# Altium PCB BB.PcbDoc (part 2 of 9) (continued)
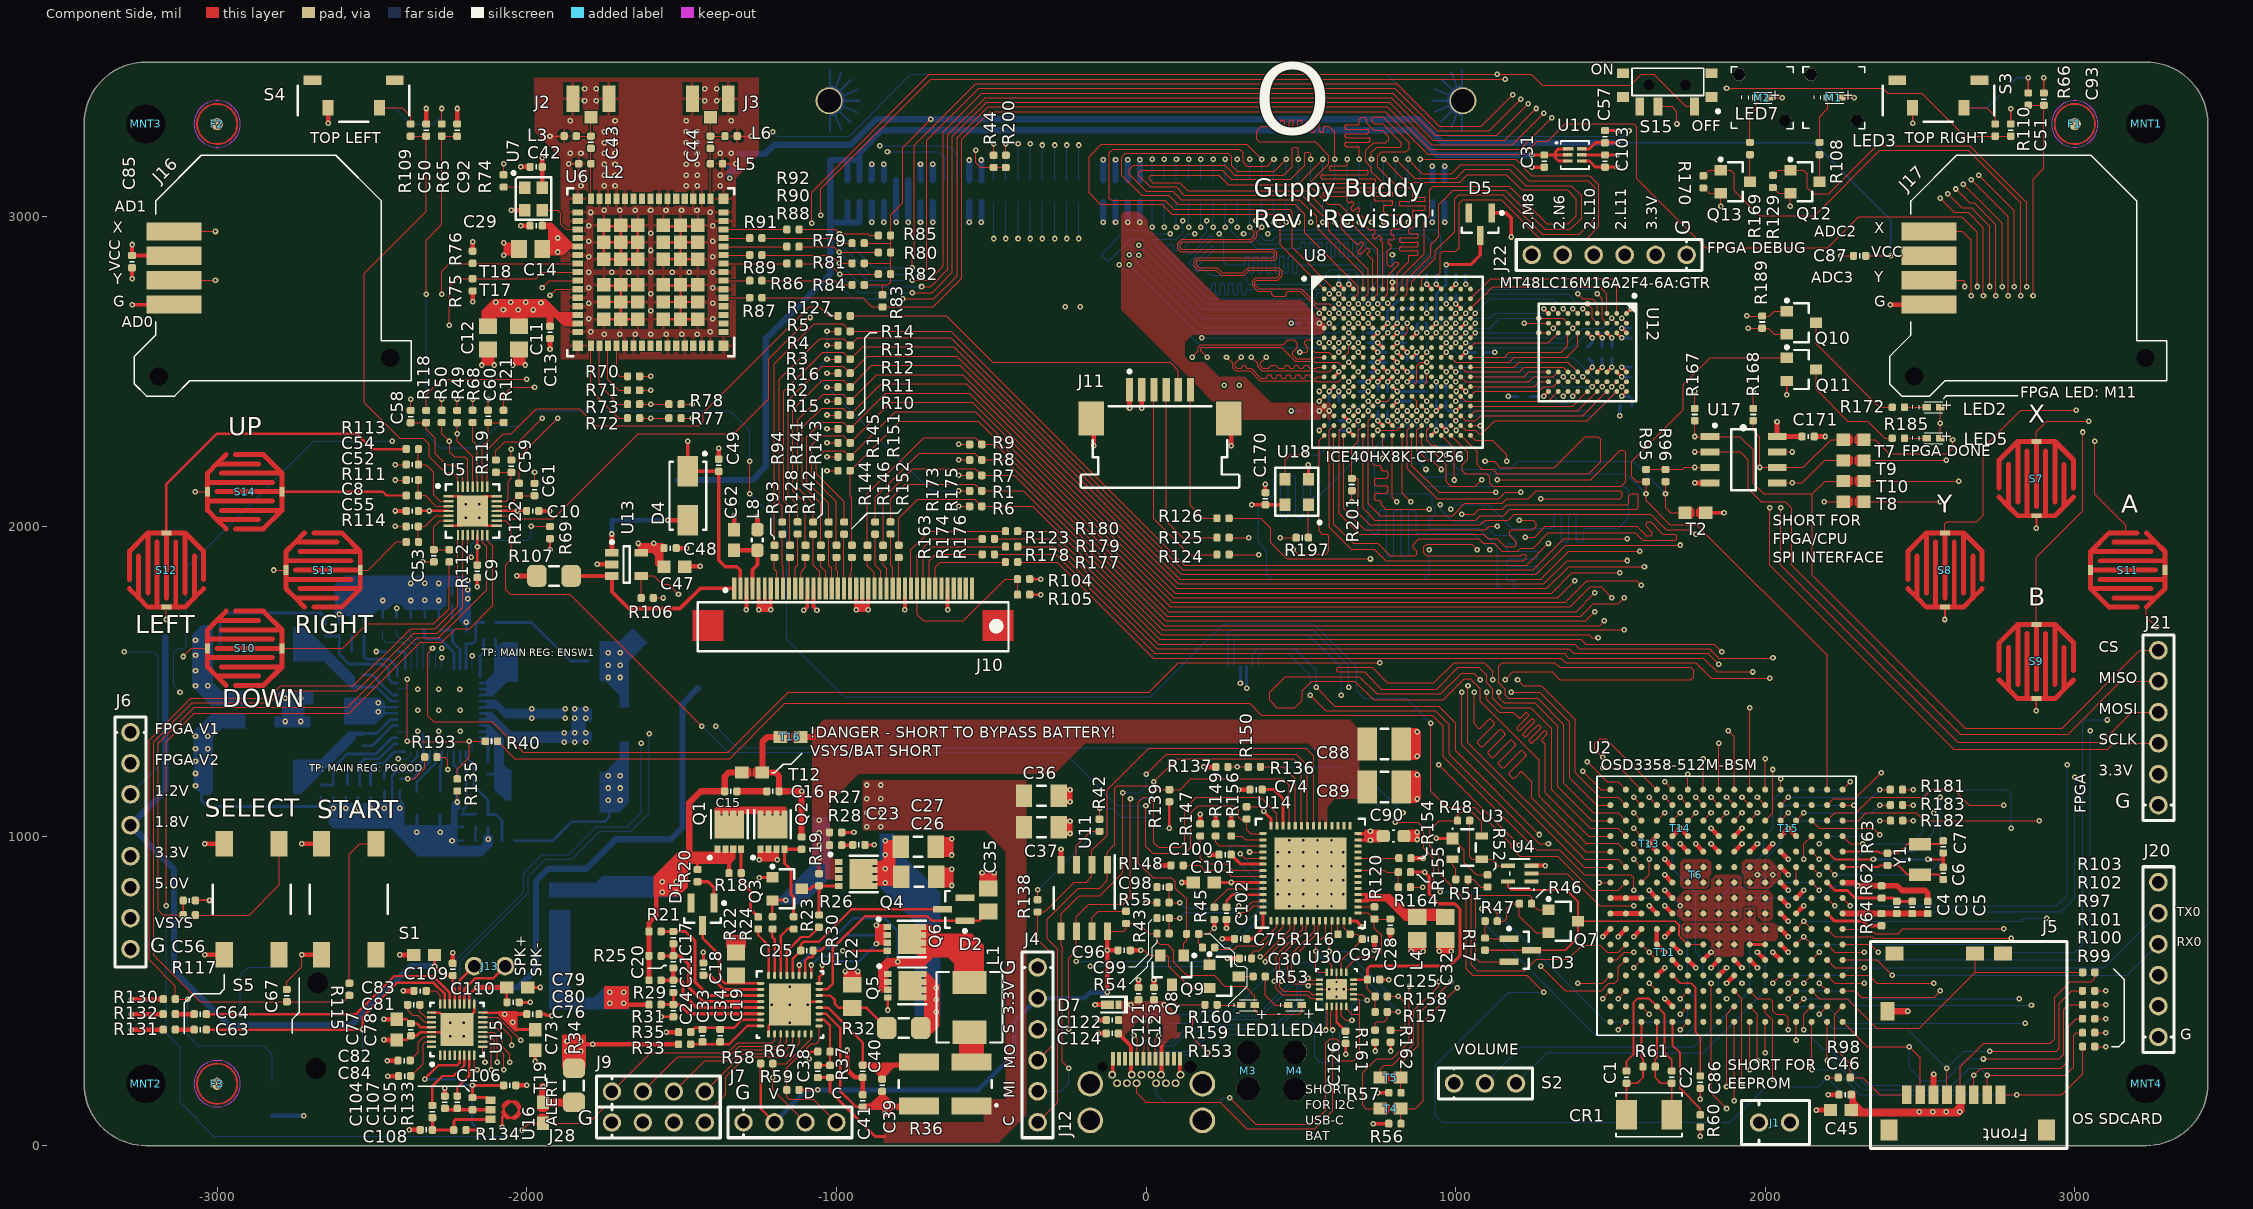
[diagram p0: Component Side view]
## Footprints (in the part's own frame and the unit in brackets; to place one, negate y for a bottom-side part, rotate by r counter-clockwise, add the part's x,y. Pads: shape width x height; smd on the part's side, far side on the other; paste and mask are expansions set on the pad) (continued)
RUK0020B [mm]
  rrect50% 0.6x0.2 smd mask+0.051: 1(-1.4,0.8) 2(-1.4,0.4) 3(-1.4,0) 4(-1.4,-0.4) 5(-1.4,-0.8) 11(1.4,-0.8) 12(1.4,-0.4) 13(1.4,0) 14(1.4,0.4) 15(1.4,0.8)
  rrect50% 0.2x0.6 smd mask+0.051: 6(-0.8,-1.4) 7(-0.4,-1.4) 8(0,-1.4) 9(0.4,-1.4) 10(0.8,-1.4) 16(0.8,1.4) 17(0.4,1.4) 18(0,1.4) 19(-0.4,1.4) 20(-0.8,1.4)
  rrect50% 0.75x0.75 on Top Paste: 21(-0.475,-0.475) 21(-0.475,0.475) 21(0.475,-0.475) 21(0.475,0.475)
  rrect6% 1.7x1.7 smd paste-0.85 mask+0.076: 21(0,0)
  silkscreen extent -1.68,-1.68 1.68,1.68, body extent -1.5,-1.5 1.5,1.5, height 0.8
RWE0056B [mm]
  rrect40% 0.6x0.25 smd paste+0 mask+0.064: 1(-3.9,3.25) 2(-3.9,2.75) 3(-3.9,2.25) 4(-3.9,1.75) 5(-3.9,1.25) 6(-3.9,0.75) 7(-3.9,0.25) 8(-3.9,-0.25) 9(-3.9,-0.75) 10(-3.9,-1.25) 11(-3.9,-1.75) 12(-3.9,-2.25) 13(-3.9,-2.75) 14(-3.9,-3.25) 29(3.9,-3.25) 30(3.9,-2.75) 31(3.9,-2.25) 32(3.9,-1.75) 33(3.9,-1.25) 34(3.9,-0.75) 35(3.9,-0.25) 36(3.9,0.25) 37(3.9,0.75) 38(3.9,1.25) 39(3.9,1.75) 40(3.9,2.25) 41(3.9,2.75) 42(3.9,3.25)
  rrect40% 0.25x0.6 smd paste+0 mask+0.064: 15(-3.25,-3.9) 16(-2.75,-3.9) 17(-2.25,-3.9) 18(-1.75,-3.9) 19(-1.25,-3.9) 20(-0.75,-3.9) 21(-0.25,-3.9) 22(0.25,-3.9) 23(0.75,-3.9) 24(1.25,-3.9) 25(1.75,-3.9) 26(2.25,-3.9) 27(2.75,-3.9) 28(3.25,-3.9) 43(3.25,3.9) 44(2.75,3.9) 45(2.25,3.9) 46(1.75,3.9) 47(1.25,3.9) 48(0.75,3.9) 49(0.25,3.9) 50(-0.25,3.9) 51(-0.75,3.9) 52(-1.25,3.9) 53(-1.75,3.9) 54(-2.25,3.9) 55(-2.75,3.9) 56(-3.25,3.9)
  rrect2% 5.9x5.9 smd paste-6: 57(0,0)
  silkscreen extent -4.47,-4.47 4.47,4.47, body extent -4,-4 4,4, height 0.86
SINGLE_LIGHT_PIPE [mm] "Single Light Pipe"
  round 1 hole 1 unplated mask+0.1: ""(-1.89,1.89) ""(1.89,-1.89)
  silkscreen extent -2.54,-2.54 2.54,2.54, body extent -2.54,-2.54 2.54,2.54, height 8.5
SOIC-8 [mm]
  rect 1.52x0.6 smd: 1(-2.75,1.905) 2(-2.75,0.635) 3(-2.75,-0.635) 4(-2.75,-1.905) 5(2.75,-1.905) 6(2.75,-0.635) 7(2.75,0.635) 8(2.75,1.905)
  silkscreen extent -2.47,-2.5 1,2.94, body extent -2,-2.5 2,2.5, height 1.35
"SOIC-8 - TI" [mm]
  rrect17% 1.45x0.6 smd: 1(-2.725,1.905) 2(-2.725,0.635) 3(-2.725,-0.635) 4(-2.725,-1.905) 5(2.725,-1.905) 6(2.725,-0.635) 7(2.725,0.635) 8(2.725,1.905)
  silkscreen extent -3.5,-2.5 0.9,2.5, body extent -3,-2.45 3,2.45, height 1.63
SOT23 [mm] "SOT23, 3-Leads, Body 3.0x2.6mm (max), Pitch 0.95mm, IPC Medium Density"
  rect 1.55x0.55 smd: 1(-0.925,0.95) 2(-0.925,-0.95) 3(0.925,0)
  silkscreen extent -1.05,-1.5 0.7,1.9, body extent -0.7,-1.5 0.7,1.5, height 1.1
SOT190P237X120-4N [mm] "SOT143, 4-Leads, Body 2.92x2.37mm, Pitch 1.90mm, IPC Medium Density"
  rect 1x1 smd: 1(-1.2,0.75)
  rect 1x0.6 smd: 2(-1.2,-0.95) 3(1.2,-0.95) 4(1.2,0.95)
  silkscreen extent -1.25,-1.5 0.7,1.6, body extent -0.7,-1.52 0.7,1.52, height 1.2
SOT-23A [mm] "SOT-23; 3 Leads; Body 3.1 x 2.5 mm, inc. leads (LxW max)"
  rect 0.85x1 smd: 1(0.95,1.2) 2(-0.95,1.2) 3(0,-1.2)
  silkscreen extent -1.6,-0.6 1.95,1.32, body extent -1.46,-1.13 1.46,1.35, height 1
TACTILE_1571563_2 [mm] "SWITCH TACTILE SPST-NO 0.05A 24V"
  rect 2.1x1.4 smd: 1(-4.55,2.25) 2(4.55,2.25) 3(-4.55,-2.25) 4(4.55,-2.25)
  silkscreen extent -1.2,-3.2 1.2,3.2, body extent -5,-3 5,3, height 5.1
TestPointSmall [mil]
  round 18 hole 8 mask+1.5: 1(0,0)
TESTPOINTSMALL [mil]
  round 18 hole 8 mask+1.5: 1(0,0)
TL3330AF130QG [mm] "SWITCH TACTILE SPST-NO 0.05A 12V"
  rect 0.9x1.27 smd: 1(-2.1,0.86) 2(2.1,0.86)
  rect 1.45x0.8 smd: M(-3.375,-1.4) M(3.375,-1.4)
  silkscreen extent -4.57,-0.95 4.57,2, body extent -3.87,-2.73 3.92,0.78, height 3.5
U.FL-R-SMT-1 [mm] "U.FL-R-SMT-1"
  rect 1.05x2.2 smd: 1(-1.475,0) 2(1.475,0)
  rect 1.05x1 smd: 3(0,-1.525)

## Part data
C1 C2 C6 C7: Capacitance=18pF, Case/Package=0402, Case Code (Metric)=1005, Dielectric=C0G, Manufacturer 1="Taiyo Yuden", Manufacturer Part Number 1=UMK105CG180JV-F, Max Operating Temperature=125°C, Min Operating Temperature=-55°C, Package Quantity=1, Supplier Part Number 1=587-1950-6-ND, Tolerance=5%, Voltage Rating=50V, Case Code (Imperial)=0402, ComponentLink1Description=http://search.murata.co.jp/Ceramy/image/img/A01X/G101/ENG/GRM1555C1H180FA01-01.pdf, ComponentLink1URL=http://search.murata.co.jp/Ceramy/image/img/A01X/G101/ENG/GRM1555C1H180FA01-01.pdf, ComponentLink2Description=https://datasheet.ciiva.com/129/standardmultilayerceramiccaps-129795.pdf, ComponentLink2URL=https://datasheet.ciiva.com/129/standardmultilayerceramiccaps-129795.pdf, ComponentLink3Description=https://datasheet.ciiva.com/129/standardmultilayerceramiccaps-129796.pdf, ComponentLink3URL=https://datasheet.ciiva.com/129/standardmultilayerceramiccaps-129796.pdf, ComponentLink4Description=https://datasheet.ciiva.com/129/standardmultilayerceramiccaps-129797.pdf, ComponentLink4URL=https://datasheet.ciiva.com/129/standardmultilayerceramiccaps-129797.pdf, ComponentLink5Description=https://datasheet.ciiva.com/28645/1481447-28645301.pdf, ComponentLink5URL=https://datasheet.ciiva.com/28645/1481447-28645301.pdf, ComponentLink6Description=https://datasheet.ciiva.com/7975/1500421-7975897.pdf, ComponentLink6URL=https://datasheet.ciiva.com/7975/1500421-7975897.pdf, ComponentLink7Description=https://datasheet.ciiva.com/30064/dumk-e-30064475.pdf, ComponentLink7URL=https://datasheet.ciiva.com/30064/dumk-e-30064475.pdf, ComponentLink8Description=https://datasheet.ciiva.com/5418/mlcc-all-e-541559-5418829.pdf, ComponentLink8URL=https://datasheet.ciiva.com/5418/mlcc-all-e-541559-5418829.pdf, Depth=0.5mm, Description 1="CAP CER 18PF 50V NP0 0402", Halogen Free="Halogen Free", Height=0.5mm, Lead Free="Lead Free", Length=1mm, Mount="Surface Mount", Packaging="Tape and Reel", Pricing 1="1=0.1, 10=0.032, 100=0.0141, 500=0.01006, 1000=0.00791, 2500=0.00719, 5000=0.00661 (USD)", Radiation Hardening=No, REACH SVHC=Unknown, Stock 1=0, Supplier 1=Digi-Key, Termination=SMD/SMT, Thickness=0.022inch, Voltage Rating (DC)=50V, Width=0.02inch
C3 C4 C5 C8 C9 C10 C13 C15 C16 C17 C20 C21 C24 C25 C33 C39 C40 C41 C42 C46 C48 C50 C51 C52 C53 C54 C55 C56 C58 C59 C60 C61 C67 C68 C69 C71 C72 C76 C78 C80 C85 C86 C87 C92 C93 C96 C98 C99 C106 C110 C126 C170 C171: "CAP CER 0.1UF 25V X6S 0402", Capacitance=0.1uF, Case/Package=0402, Case Code (Metric)=1005, Dielectric=X7R, Manufacturer 1=Yageo, Manufacturer Part Number 1=CC0402KRX7R8BB104, Max Operating Temperature=125°C, Min Operating Temperature=-55°C, Supplier Part Number 1=311-2077-1-ND, Tolerance=10%, Voltage - Rated=25V, Case Code (Imperial)=0402, ComponentLink1Description=https://product.tdk.com/info/en/catalog/datasheets/mlcc_commercial_general_en.pdf, ComponentLink1URL=https://product.tdk.com/info/en/catalog/datasheets/mlcc_commercial_general_en.pdf, ComponentLink2Description=https://datasheet.ciiva.com/11464/upy-gphc-x7r-6-3v-to-50v-8-11464889.pdf, ComponentLink2URL=https://datasheet.ciiva.com/11464/upy-gphc-x7r-6-3v-to-50v-8-11464889.pdf, ComponentLink3Description=https://datasheet.ciiva.com/13210/upy-gphc-x7r-6-3v-to-50v-8-12304-13210908.pdf, ComponentLink3URL=https://datasheet.ciiva.com/13210/upy-gphc-x7r-6-3v-to-50v-8-12304-13210908.pdf, ComponentLink4Description=https://datasheet.ciiva.com/17437/upy-gphc-x7r-6-3v-to-50v-8-17437357.pdf, ComponentLink4URL=https://datasheet.ciiva.com/17437/upy-gphc-x7r-6-3v-to-50v-8-17437357.pdf, Composition=Ceramic, Depth=0.5mm, Description 1="Cap Ceramic 0.1uF 25V X7R 10% SMD 0402 125C Paper T/R", Dissipation Factor=3.5%, Halogen Free="Halogen Free", Height=0.5mm, Lead Free="Lead Free", Length=1mm, Mount="Surface Mount", Package / Case=0402, Packaging="Tape and Reel", Pricing 1="1=0.1, 10=0.048, 100=0.0215, 500=0.01534, 1000=0.01205, 2500=0.01095, 5000=0.01007 (USD)", Radiation Hardening=No, Stock 1=0, Supplier 1=Digi-Key, Temperature Coefficient=X7R, Termination=SMD/SMT, Thickness=0.022inch, Voltage Rating=25V, Voltage Rating (DC)=25V, Width=0.02inch
C11 C12 C14 C113 C140 C146 C152: library part C_0805_10UF_16V, "CAP CER 10uF 16V X5R 20% 0805", Manufacturer="Taiyo Yuden", Manufacturer Part Number=EMK212BJ106KG-T, Operating Temperature="-55°C ~ 85°C", Package / Case=0805, Ratings=-, Supplier Part Number 1=587-1295-1-ND, Temperature Coefficient=X5R, Tolerance=±10%, Voltage - Rated=16V, Applications="General Purpose", Capacitance=10µF, Category=Capacitors, ComponentLink1Description=http://www.yuden.co.jp/productdata/catalog/en/mlcc01_e.pdf, ComponentLink1URL=http://www.yuden.co.jp/productdata/catalog/en/mlcc01_e.pdf, Features=-, Height - Seated (Max)=-, Lead Spacing=-, Lead Style=-, Mounting Type="Surface Mount, MLCC", Packaging="Cut Tape (CT)", Part Status=Active, Pricing 1="1=0.2, 10=0.139, 100=0.0656, 500=0.04596, 1000=0.03805 (USD)", RoHS="RoHS Compliant", Size / Dimension="0.079\" L x 0.049\" W (2.00mm x 1.25mm)", Stock 1=2052124, Supplier 1=Digi-Key, Thickness (Max)="0.053\" (1.35mm)"
C18 C23 C49 C74 C75 C81 C82 C83 C84: "CAP CER 2.2UF 35V 20% X5R 0402", Capacitance=2.2µF, Manufacturer="TDK Corporation", Manufacturer Part Number=C1005X5R1V225K050BC, Operating Temperature="-55°C ~ 85°C", Package / Case=0402, Ratings=-, Supplier Part Number 1=445-9028-1-ND, Temperature Coefficient=X5R, Tolerance=±10%, Voltage - Rated=35V, Applications="General Purpose", Category=Capacitors, ComponentLink1Description=https://product.tdk.com/info/en/catalog/datasheets/mlcc_commercial_general_en.pdf, ComponentLink1URL=https://product.tdk.com/info/en/catalog/datasheets/mlcc_commercial_general_en.pdf, Failure Rate=-, Features="Low ESL", Height - Seated (Max)=-, Lead Spacing=-, Lead Style=-, Mounting Type="Surface Mount, MLCC", Packaging="Cut Tape (CT)", Part Status=Active, Pricing 1="1=0.36, 10=0.253, 100=0.1518, 500=0.11386, 1000=0.09614, 2500=0.09108, 5000=0.08602 (USD)", RoHS="RoHS Compliant", Size / Dimension="0.039\" L x 0.020\" W (1.00mm x 0.50mm)", Stock 1=300469, Supplier 1=Digi-Key, Thickness (Max)="0.022\" (0.55mm)"
C19 C22 C32: library part C_0805_1.0uF_50V, "CAP CER 1UF 50V X7R 0805", Capacitance=1.0µF, Case/Package=0805, Case Code (Metric)=2012, Dielectric=X7R, Manufacturer 1=Samsung, Manufacturer Part Number 1=CL21B105KBFNNNG, Max Operating Temperature=125°C, Min Operating Temperature=-55°C, Package Quantity=3000, Supplier Part Number 1=1276-6470-6-ND, Tolerance=10%, Voltage=50V, Case Code (Imperial)=0805, ComponentLink1Description=http://search.murata.co.jp/Ceramy/image/img/PDF/ENG/GRM21BR71H105KA12.pdf, ComponentLink1URL=http://search.murata.co.jp/Ceramy/image/img/PDF/ENG/GRM21BR71H105KA12.pdf, ComponentLink2Description=https://datasheet.ciiva.com/16428/cl05b104kq5nnnc-16428872.pdf, ComponentLink2URL=https://datasheet.ciiva.com/16428/cl05b104kq5nnnc-16428872.pdf, ComponentLink3Description=https://datasheet.ciiva.com/26310/mlcc-catalogdownload2013-eng-26310125.pdf, ComponentLink3URL=https://datasheet.ciiva.com/26310/mlcc-catalogdownload2013-eng-26310125.pdf, ComponentLink4Description=https://datasheet.ciiva.com/25733/cl21b105kbfnnng-25733278.pdf, ComponentLink4URL=https://datasheet.ciiva.com/25733/cl21b105kbfnnng-25733278.pdf, ComponentLink5Description=https://datasheet.ciiva.com/29199/455898-da-01-en-vs-kondensator-0805-29199201.pdf, ComponentLink5URL=https://datasheet.ciiva.com/29199/455898-da-01-en-vs-kondensator-0805-29199201.pdf, Contact Plating=Nickel,Tin, Depth=1.25mm, Description 1="Cap Ceramic 1uF 50V X7R 10% SMD 0805 125C Embossed T/R", Length=2mm, Material=Ceramic, Mount="Surface Mount", Package / Case=0805, Packaging="Tape and Reel", Pricing 1="1=0.13, 10=0.097, 100=0.043, 500=0.03072, 1000=0.02413 (USD)", Stock 1=0, Supplier 1=Digi-Key, Temperature Coefficient=X7R, Termination=Wraparound, Thickness=0.053inch, Voltage - Rated=50V, Voltage Rating=50V, Width=0.049inch
C26 C27 C36 C37: library part C_1206_10UF_25V, "CAP CER 10UF 25V X5R 1206", Case/Package=1206, Case Code (Metric)=3216, Dielectric=X5R, Manufacturer 1=Samsung, Manufacturer Part Number 1=CL31A106KAHNNNE, Max Operating Temperature=85°C, Min Operating Temperature=-55°C, Supplier Part Number 1=1276-1075-6-ND, Tolerance=10%, Voltage=25V, Capacitance=10µF, Case Code (Imperial)=1206, ComponentLink1Description=http://search.murata.co.jp/Ceramy/image/img/PDF/ENG/GRM31CR61E106MA12.pdf, ComponentLink1URL=http://search.murata.co.jp/Ceramy/image/img/PDF/ENG/GRM31CR61E106MA12.pdf, ComponentLink2Description=https://datasheet.ciiva.com/25710/cl31a106kahnnne-25710837.pdf, ComponentLink2URL=https://datasheet.ciiva.com/25710/cl31a106kahnnne-25710837.pdf, ComponentLink3Description=https://datasheet.ciiva.com/15195/getdatasheetpartid-355210-15195990.pdf, ComponentLink3URL=https://datasheet.ciiva.com/15195/getdatasheetpartid-355210-15195990.pdf, ComponentLink4Description=https://datasheet.ciiva.com/16740/cl31a106kahnnne-16740633.pdf, ComponentLink4URL=https://datasheet.ciiva.com/16740/cl31a106kahnnne-16740633.pdf, ComponentLink5Description=https://datasheet.ciiva.com/29201/452519-da-01-en-vs-kondensator-1206-29201124.pdf, ComponentLink5URL=https://datasheet.ciiva.com/29201/452519-da-01-en-vs-kondensator-1206-29201124.pdf, Contact Plating=Tin, Depth=1.6mm, Description 1="Cap Ceramic 10uF 25V X5R 10% SMD 1206 85C T/R", Height=1.6mm, Lead Free="Lead Free", Length=3.2mm, Material=Ceramic, Mount="Surface Mount", Package / Case=1206, Packaging="Tape and Reel", Pricing 1="1=0.28, 10=0.188, 100=0.095, 500=0.065, 1000=0.0575 (USD)", Radiation Hardening=No, Stock 1=0, Supplier 1=Digi-Key, Temperature Coefficient=X5R, Thickness=0.071inch, Voltage - Rated=25V, Voltage Rating=25V, Voltage Rating (DC)=25V, Width=0.063inch
C28 C97: library part C_0402_220PF_50V, "CAP CER 220PF 50V 10% X7R 0402", Manufacturer="Murata Electronics North America", Manufacturer Part Number=GRM155R71H221KA01D, Operating Temperature="-55°C ~ 125°C", Package / Case=0402, Ratings=-, Supplier Part Number 1=490-1298-1-ND, Temperature Coefficient=X7R, Tolerance=±10%, Voltage - Rated=50V, Applications="General Purpose", Capacitance=220pF, Category=Capacitors, ComponentLink1Description=http://search.murata.co.jp/Ceramy/image/img/PDF/ENG/GRM155R71H221KA01.pdf, ComponentLink1URL=http://search.murata.co.jp/Ceramy/image/img/PDF/ENG/GRM155R71H221KA01.pdf, Features=-, Height=-, Lead Spacing=-, Lead Style=-, Mounting Type="Surface Mount, MLCC", Packaging="Cut Tape (CT)", Pricing="10=0.034, 50=0.0272, 100=0.0204, 250=0.01476, 500=0.0109, 1000=0.00738 (USD)", RoHS="RoHS Compliant", Size / Dimension="0.039\" L x 0.020\" W (1.00mm x 0.50mm)", Stock 1=239876, Supplier 1=Digi-Key, Thickness="0.022\" (0.55mm)"
C29 C31 C57 C65 C66 C70 C100 C102 C103 C125 C156: library part C_0402_1.0UF_16V, "CAP CER 1.0UF 16V X5R 0402", Capacitance=1.0µF, Case/Package=0402, Case Code (Metric)=1005, Dielectric=X5R, Manufacturer 1=Samsung, Manufacturer Part Number 1=CL05A105KO5NNNC, Max Operating Temperature=85°C, Min Operating Temperature=-55°C, Package Quantity=1, Supplier Part Number 1=1276-1067-6-ND, Tolerance=10%, Voltage=16V, Case Code (Imperial)=0402, ComponentLink1Description=http://ds.yuden.co.jp/TYCOMPAS/ut/detail.do?productNo=EMK105BJ105KV-F&fileName=EMK105BJ105KV-F_SS&mode=specSheetDownload, ComponentLink1URL=http://ds.yuden.co.jp/TYCOMPAS/ut/detail.do?productNo=EMK105BJ105KV-F&fileName=EMK105BJ105KV-F_SS&mode=specSheetDownload, ComponentLink2Description=https://datasheet.ciiva.com/16207/cl05a105ko5nnnc-16207571.pdf, ComponentLink2URL=https://datasheet.ciiva.com/16207/cl05a105ko5nnnc-16207571.pdf, ComponentLink3Description=https://datasheet.ciiva.com/15195/getdatasheetpartid-355272-15195629.pdf, ComponentLink3URL=https://datasheet.ciiva.com/15195/getdatasheetpartid-355272-15195629.pdf, Contact Plating=Tin, Depth=0.5mm, Description 1="Cap Ceramic 1uF 16V X5R 10% SMD 0402 85C Paper T/R", Height=0.5mm, Length=1mm, Mount="Surface Mount", Package / Case=0402, Packaging="Tape and Reel", Pricing 1="1=0.1, 10=0.062, 100=0.0276, 500=0.01968, 1000=0.01547, 2500=0.01406, 5000=0.01294 (USD)", Radiation Hardening=No, Stock 1=26908, Supplier 1=Digi-Key, Temperature Coefficient=X5R, Thickness=0.022inch, Voltage - Rated=16V, Voltage Rating=16V, Width=0.02inch
C30 C63 C64: "CAP CER 0.22UF 50V X5R 0402", Capacitance=0.22µF, Manufacturer="Taiyo Yuden", Manufacturer Part Number=UMK105BJ224KV-F, Operating Temperature="-55°C ~ 85°C", Package / Case=0402, Ratings=-, Supplier Part Number 1=587-3500-6-ND, Temperature Coefficient=X5R, Tolerance=±10%, Voltage - Rated=50V, Applications="General Purpose", Category=Capacitors, ComponentLink1Description=http://ds.yuden.co.jp/TYCOMPAS/ut/detail.do?productNo=UMK105BJ224KV-F&fileName=UMK105BJ224KV-F_SS&mode=specSheetDownload, ComponentLink1URL=http://ds.yuden.co.jp/TYCOMPAS/ut/detail.do?productNo=UMK105BJ224KV-F&fileName=UMK105BJ224KV-F_SS&mode=specSheetDownload, Features=-, Height - Seated (Max)=-, Lead Spacing=-, Lead Style=-, Mounting Type="Surface Mount, MLCC", Packaging=Digi-Reel®, Pricing 1="1=0.35, 10=0.263, 50=0.1532, 100=0.1225, 250=0.08752, 500=0.0595, 1000=0.04813, 5000=0.03763 (USD)", RoHS="RoHS Compliant", Size / Dimension="0.039\" L x 0.020\" W (1.00mm x 0.50mm)", Stock 1=141424, Supplier 1=Digi-Key, Thickness (Max)="0.022\" (0.55mm)"
C34: library part C_0402_100PF, "CAP CER 100PF 50V 5% C0G 0402", Manufacturer="Murata Electronics North America", Manufacturer Part Number=GRM1555C1H101JA01D, Operating Temperature="-55°C ~ 125°C", Package / Case=0402, Ratings=-, Supplier Part Number 1=490-5922-1-ND, Temperature Coefficient=NP0, Tolerance=±5%, Voltage - Rated=50V, Applications="General Purpose", Capacitance=100pF, Category=Capacitors, ComponentLink1Description=http://www.murata.com/~/media/webrenewal/support/library/catalog/products/capacitor/mlcc/c02e.pdf, ComponentLink1URL=http://www.murata.com/~/media/webrenewal/support/library/catalog/products/capacitor/mlcc/c02e.pdf, Features=-, Height - Seated (Max)=-, Lead Spacing=-, Lead Style=-, Mounting Type="Surface Mount, MLCC", Packaging="Cut Tape (CT)", Part Status=Active, Pricing 1="1=0.1, 10=0.012, 50=0.0066, 100=0.0055, 250=0.00452, 500=0.00386, 1000=0.003, 5000=0.0025 (USD)", RoHS="RoHS Compliant", Size / Dimension="0.039\" L x 0.020\" W (1.00mm x 0.50mm)", Stock 1=1663893, Supplier 1=Digi-Key, Thickness (Max)="0.022\" (0.55mm)"
C35: "1.5µF ±10% 25V Ceramic Capacitor X7R 0805 (2012 Metric)", Capacitance=1.5µF, Manufacturer="Murata Electronics North America", Manufacturer Part Number=GRM21BR71E155KA88L, Operating Temperature="-55°C ~ 125°C", Package / Case=0805, Ratings=-, Supplier Part Number 1=490-3330-1-ND, Temperature Coefficient=25V, Tolerance=±10%, Voltage - Rated=X7R, Applications="General Purpose", Category=Capacitors, ComponentLink1Description=http://www.murata.com/~/media/webrenewal/support/library/catalog/products/capacitor/mlcc/c02e.pdf, ComponentLink1URL=http://www.murata.com/~/media/webrenewal/support/library/catalog/products/capacitor/mlcc/c02e.pdf, Features=-, Height - Seated (Max)=-, Lead Spacing=-, Lead Style=-, Mounting Type="Surface Mount, MLCC", Packaging="Cut Tape (CT)", Part Status=Active, Pricing 1="1=0.29, 10=0.24, 50=0.135, 100=0.12, 250=0.09, 500=0.0795, 1000=0.0705 (USD)", RoHS="RoHS Compliant", Size / Dimension="0.079\" L x 0.049\" W (2.00mm x 1.25mm)", Stock 1=7266, Supplier 1=Digi-Key, Thickness (Max)="0.053\" (1.35mm)"
C38: library part C_0402_22PF_50V, "CAP CER 22PF 50V NP0 0402", Manufacturer="Murata Electronics North America", Manufacturer Part Number=GRM1555C1H220FA01D, Operating Temperature="-55°C ~ 125°C", Package / Case=0402, Ratings=-, Supplier Part Number 1=490-8589-1-ND, Temperature Coefficient=NP0, Tolerance=±1%, Voltage - Rated=50V, Applications="General Purpose", Capacitance=22pF, Category=Capacitors, ComponentLink1Description=http://search.murata.co.jp/Ceramy/image/img/A01X/G101/ENG/GRM1555C1H220FA01-01.pdf, ComponentLink1URL=http://search.murata.co.jp/Ceramy/image/img/A01X/G101/ENG/GRM1555C1H220FA01-01.pdf, Features=-, Height - Seated (Max)=-, Lead Spacing=-, Lead Style=-, Mounting Type="Surface Mount, MLCC", Packaging="Cut Tape (CT)", Part Status=Active, Pricing 1="1=0.1, 10=0.05, 100=0.0223, 500=0.01594, 1000=0.01252, 2500=0.01138, 5000=0.01047 (USD)", RoHS="RoHS Compliant", Size / Dimension="0.039\" L x 0.020\" W (1.00mm x 0.50mm)", Stock 1=606100, Supplier 1=Digi-Key, Thickness (Max)="0.022\" (0.55mm)"
C43 C44: library part C_0402_10PF_50V, "CAP CER 10PF 50V NP0 0402", Manufacturer="Taiyo Yuden", Manufacturer Part Number=UMK105CG100DV-F, Operating Temperature="-55°C ~ 125°C", Package / Case=0402, Ratings=-, Supplier Part Number 1=587-1947-1-ND, Temperature Coefficient="C0G, NP0", Tolerance=.5pF, Voltage - Rated=50V, Applications="General Purpose", Capacitance=10pF, Category=Capacitors, ComponentLink1Description=http://www.yuden.co.jp/productdata/catalog/en/mlcc02_e.pdf, ComponentLink1URL=http://www.yuden.co.jp/productdata/catalog/en/mlcc02_e.pdf, Features=-, Height - Seated (Max)=-, Lead Spacing=-, Lead Style=-, Mounting Type="Surface Mount, MLCC", Packaging="Cut Tape (CT)", Pricing="1=0.07, 10=0.045, 50=0.0216, 100=0.0162, 250=0.01172, 500=0.00864, 1000=0.00585, 5000=0.0045 (USD)", RoHS="RoHS Compliant", Size / Dimension="0.039\" L x 0.020\" W (1.00mm x 0.50mm)", Stock 1=47289, Supplier 1=Digi-Key, Thickness (Max)="0.022\" (0.55mm)"
C45 C47 C62 C73 C77 C79 C101 C109: "CAP CER 10UF 16V X5R 0603", Capacitance=10µF, Manufacturer="Murata Electronics North America", Manufacturer Part Number=GRM188R61C106MA73D, Operating Temperature="-55°C ~ 85°C", Package / Case=0603, Ratings=-, Supplier Part Number 1=490-7201-1-ND, Temperature Coefficient=X5R, Tolerance=±20%, Voltage - Rated=25V, Applications="General Purpose", Category=Capacitors, ComponentLink1Description=http://www.murata.com/~/media/webrenewal/support/library/catalog/products/capacitor/mlcc/c02e.pdf, ComponentLink1URL=http://www.murata.com/~/media/webrenewal/support/library/catalog/products/capacitor/mlcc/c02e.pdf, Features=-, Height - Seated (Max)=-, Lead Spacing=-, Lead Style=-, Mounting Type="Surface Mount, MLCC", Packaging="Cut Tape (CT)", Pricing 1="1=0.35, 10=0.303, 50=0.184, 100=0.1516, 250=0.12124, 500=0.11042, 1000=0.09959 (USD)", RoHS="RoHS Compliant", Size / Dimension="0.063\" L x 0.031\" W (1.60mm x 0.80mm)", Stock 1=450536, Supplier 1=Digi-Key, Thickness (Max)="0.031\" (0.80mm)"
C88 C89: library part C_1210_22µF, "CAP CER 22UF 25V 20% X5R 1210", Manufacturer="Taiyo Yuden", Manufacturer Part Number=TMK325BJ226MM-T, Operating Temperature="-55°C ~ 85°C", Package / Case=1210, Ratings=-, Supplier Part Number 1=587-2086-1-ND, Temperature Coefficient=X5R, Tolerance=±20%, Voltage - Rated=25V, Applications="General Purpose", Capacitance=22µF, Category=Capacitors, ComponentLink1Description=http://www.yuden.co.jp/productdata/catalog/en/mlcc01_e.pdf, ComponentLink1URL=http://www.yuden.co.jp/productdata/catalog/en/mlcc01_e.pdf, Features=-, Height - Seated (Max)=-, Lead Spacing=-, Lead Style=-, Mounting Type="Surface Mount, MLCC", Packaging="Cut Tape (CT)", Pricing="1=0.86, 10=0.731, 50=0.5382, 100=0.4278, 250=0.3588 (USD)", RoHS="RoHS Compliant", Size / Dimension="0.126\" L x 0.098\" W (3.20mm x 2.50mm)", Stock 1=53533, Supplier 1=Digi-Key, Thickness (Max)="0.106\" (2.70mm)"
C90: library part C_0603_4.7uF_10V, "CAP CER 4.7UF 10V X5R 0603", Case/Package=0603, Case Code (Metric)=1608, Dielectric=X5R, Manufacturer 1=Murata, Manufacturer Part Number 1=GRM188R6YA475KE15D, Max Operating Temperature=85°C, Min Operating Temperature=-55°C, Package Quantity=4000, Supplier Part Number 1=490-7205-6-ND, Tolerance=10%, Voltage=35V, Voltage - Rated=10V, Capacitance=4.7µF, Case Code (Imperial)=0603, ComponentLink1Description=http://search.murata.co.jp/Ceramy/image/img/A01X/G101/ENG/GRM188R61A475KE15-01.pdf, ComponentLink1URL=http://search.murata.co.jp/Ceramy/image/img/A01X/G101/ENG/GRM188R61A475KE15-01.pdf, ComponentLink2Description=https://datasheet.ciiva.com/46444/1769893-46444984.pdf, ComponentLink2URL=https://datasheet.ciiva.com/46444/1769893-46444984.pdf, ComponentLink3Description=https://datasheet.ciiva.com/46444/1769893-46444985.pdf, ComponentLink3URL=https://datasheet.ciiva.com/46444/1769893-46444985.pdf, ComponentLink4Description=https://datasheet.ciiva.com/14906/partnumbering-e-01-14906426.pdf, ComponentLink4URL=https://datasheet.ciiva.com/14906/partnumbering-e-01-14906426.pdf, ComponentLink5Description=https://datasheet.ciiva.com/14906/partnumbering-e-01-14906427.pdf, ComponentLink5URL=https://datasheet.ciiva.com/14906/partnumbering-e-01-14906427.pdf, ComponentLink6Description=https://datasheet.ciiva.com/14906/partnumbering-e-01-14906428.pdf, ComponentLink6URL=https://datasheet.ciiva.com/14906/partnumbering-e-01-14906428.pdf, Composition=Ceramic, Depth=0.8mm, Description 1="4.7µF ±10% 35V X5R Ceramic Capacitor -55°C ~ 85°C Surface Mount, MLCC 0603 (1608 Metric) 0.063\" L x 0.031\" W (1.60mm x 0.80mm)", Height=0.8mm, Lead Free="Lead Free", Length=1.6mm, Material=Ceramic, Mount="Surface Mount", Package / Case=0603, Packaging="Tape and Reel", Pricing 1="1=0.57, 10=0.397, 100=0.2381, 500=0.17854, 1000=0.15077 (USD)", REACH SVHC="No SVHC", Stock 1=0, Supplier 1=Digi-Key, Temperature Coefficient=X5R, Termination=SMD/SMT, Thickness=0.031inch, Voltage Rating=35V, Voltage Rating (DC)=35V, Weight=0.000222oz, Width=0.8mm
C91 C138 C144 C150: library part C_0402_0.1UF_16V, "CAP CER .10UF 16V X7R 0402", Capacitance=0.1µF, Manufacturer="Murata Electronics North America", Manufacturer Part Number=GRM155R71C104KA88J, Operating Temperature="-55°C ~ 125°C", Package / Case=0402, Ratings=-, Supplier Part Number 1=490-6328-1-ND, Temperature Coefficient=X7R, Tolerance=±10%, Voltage - Rated=16V, Applications="General Purpose", Category=Capacitors, ComponentLink1Description=http://www.murata.com/~/media/webrenewal/support/library/catalog/products/capacitor/mlcc/c02e.ashx?la=en-us, ComponentLink1URL=http://www.murata.com/~/media/webrenewal/support/library/catalog/products/capacitor/mlcc/c02e.ashx?la=en-us, Features=-, Height - Seated (Max)=-, Lead Spacing=-, Mounting Type="Surface Mount, MLCC", Packaging="Cut Tape (CT)", Part Status=Active, Pricing 1="1=0.1, 10=0.014, 100=0.0062, 500=0.00442, 1000=0.00348, 2500=0.00316, 5000=0.00291 (USD)", RoHS="RoHS Compliant", Size / Dimension="0.039\" L x 0.020\" W (1.00mm x 0.50mm)", Stock 1=18103134, Supplier 1=Digi-Key, Thickness (Max)="0.022\" (0.55mm)"